# KiCad board revxl.kicad_pcb
title: revxl; date: 2025-01-11; rev: v1.0.0; company: Unknown
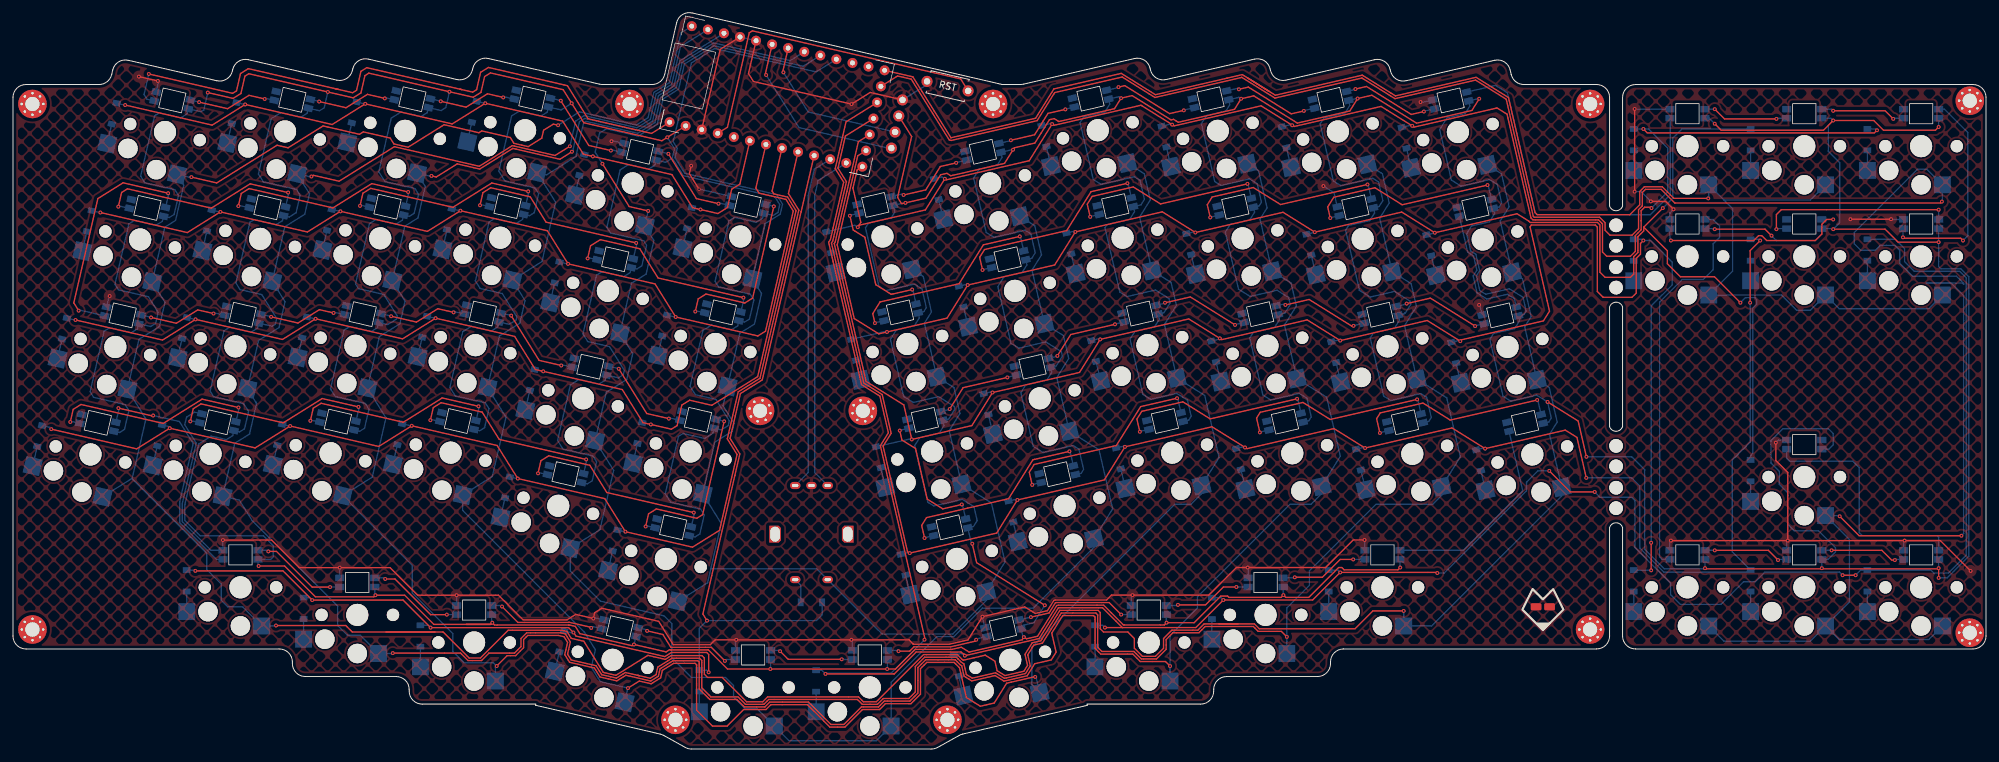
[diagram p0: board, top side]
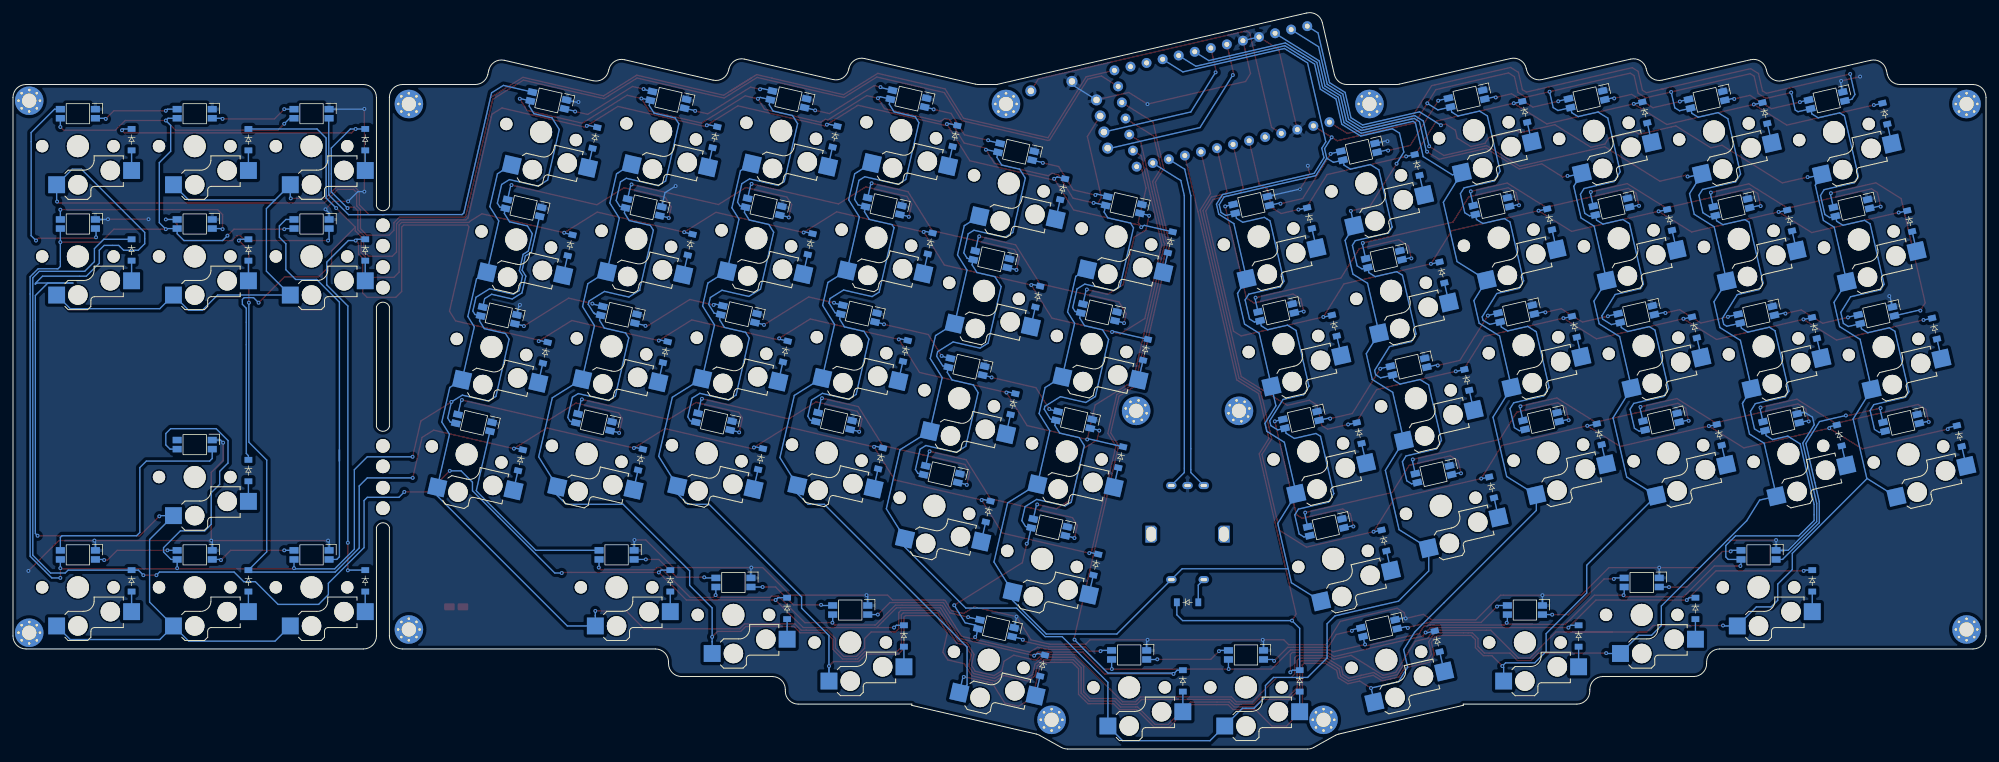
[diagram p1: board, bottom side, seen from below]

Outline 304 x 113.45 mm; copper layers: Top, Bottom. Coordinates in mm from the lower left corner of the outline.
Outline path: 0,100.42 arc(0.59,101.84) 2,102.42 13.26,102.42 arc(14.5,102.86) 15.21,103.97 15.37,104.66 arc(16.25,105.9) 17.76,106.16 31.4,103.01 arc(32.91,103.26) 33.8,104.51 33.86,104.75 arc(34.75,105.99) 36.26,106.25 49.9,103.1 arc(51.41,103.35) 52.3,104.6 52.35,104.84 arc(53.24,106.09) 54.75,106.34 68.39,103.19 arc(69.9,103.44) 70.79,104.69 70.85,104.93 arc(71.74,106.18) 73.25,106.43 90.39,102.47 arc(90.61,102.44) 90.84,102.42 98.46,102.42 arc(99.71,102.86) 100.41,103.97 102.25,111.95 arc(103.14,113.2) 104.65,113.45 152.4,102.43 152.39,102.42 155.21,102.42 arc(155.44,102.44) 155.66,102.47 172.8,106.43 arc(174.31,106.18) 175.2,104.93 175.26,104.69 arc(176.14,103.44) 177.65,103.19 191.3,106.34 arc(192.81,106.09) 193.69,104.84 193.75,104.6 arc(194.64,103.35) 196.15,103.1 209.79,106.25 arc(211.3,105.99) 212.19,104.75 212.25,104.51 arc(213.13,103.26) 214.64,103.01 228.29,106.16 arc(229.79,105.9) 230.68,104.66 230.84,103.97 arc(231.55,102.86) 232.79,102.42 244,102.42 arc(245.41,101.84) 246,100.42 246,83.7 arc(247,82.97) 248,83.7 248,100.42 arc(248.59,101.84) 250,102.42 302,102.42 arc(303.41,101.84) 304,100.42 304,17.42 arc(303.41,16.01) 302,15.42 250,15.42 arc(248.59,16.01) 248,17.42 248,34.14 arc(247,34.87) 246,34.14 246,17.42 arc(245.41,16.01) 244,15.42 205,15.42 arc(203.59,14.84) 203,13.42 203,13.17 arc(202.41,11.76) 201,11.17 187,11.17 arc(185.59,10.59) 185,9.17 185,8.92 arc(184.41,7.51) 183,6.92 165.5,6.92 165.54,6.74 146.33,2.31 arc(146.06,2.23) 145.8,2.11 142.48,0.25 arc(142.01,0.06) 141.5,0 104.54,0 arc(104.04,0.06) 103.57,0.25 100.24,2.11 arc(99.99,2.23) 99.72,2.31 80.51,6.74 80.55,6.92 63.05,6.92 arc(61.63,7.51) 61.05,8.92 61.05,9.17 arc(60.46,10.59) 59.05,11.17 45.05,11.17 arc(43.63,11.76) 43.05,13.17 43.05,13.42 arc(42.46,14.84) 41.05,15.42 2,15.42 arc(0.59,16.01) 0,17.42 0,100.42 ; 246,68.14 246,49.7 arc(247,48.97) 248,49.7 248,68.14 arc(247,68.87) 246,68.14

## Placement (name value [footprint] x y rotation side)
_1  -  [MountingHole_2.2mm_M2_Pad_Via#2]  3 99.42 0 top
_2  -  [MountingHole_2.2mm_M2_Pad_Via#2]  3 18.42 0 top
_3  -  [MountingHole_2.2mm_M2_Pad_Via#2]  243 99.42 0 top
_4  -  [MountingHole_2.2mm_M2_Pad_Via#2]  243 18.42 0 top
_5  -  [MountingHole_2.2mm_M2_Pad_Via#2]  95 99.42 0 top
_6  -  [MountingHole_2.2mm_M2_Pad_Via#2]  151 99.42 0 top
_7  -  [MountingHole_2.2mm_M2_Pad_Via#2]  102.07 4.5 0 top
_8  -  [MountingHole_2.2mm_M2_Pad_Via#2]  143.97 4.5 0 top
_9  -  [MountingHole_2.2mm_M2_Pad_Via#2]  115.1 52.12 347 top
_10  -  [MountingHole_2.2mm_M2_Pad_Via#2]  130.94 52.12 13 top
_11  -  [MountingHole_2.2mm_M2_Pad_Via#2]  301.5 99.92 0 top
_12  -  [MountingHole_2.2mm_M2_Pad_Via#2]  301.5 17.92 0 top
_13  -  [MountingHole_2.2mm_M2_Pad_Via]  247 80.72 0 top
_14  -  [MountingHole_2.2mm_M2_Pad_Via]  247 77.57 0 top
_15  -  [MountingHole_2.2mm_M2_Pad_Via]  247 74.27 0 top
_16  -  [MountingHole_2.2mm_M2_Pad_Via]  247 71.12 0 top
_17  -  [MountingHole_2.2mm_M2_Pad_Via]  247 46.72 0 top
_18  -  [MountingHole_2.2mm_M2_Pad_Via]  247 43.57 0 top
_19  -  [MountingHole_2.2mm_M2_Pad_Via]  247 40.27 0 top
_20  -  [MountingHole_2.2mm_M2_Pad_Via]  247 37.12 0 top
D1  -  [diode_tht_sod123]  4.11 48.24 257 bottom
D2  -  [diode_tht_sod123]  7.94 64.81 257 bottom
D3  -  [diode_tht_sod123]  11.76 81.37 257 bottom
D4  -  [diode_tht_sod123]  15.58 97.94 257 bottom
D5  -  [diode_tht_sod123]  22.61 48.33 257 bottom
D6  -  [diode_tht_sod123]  26.43 64.9 257 bottom
D7  -  [diode_tht_sod123]  30.25 81.46 257 bottom
D8  -  [diode_tht_sod123]  34.08 98.03 257 bottom
D9  -  [diode_tht_sod123]  41.1 48.43 257 bottom
D10  -  [diode_tht_sod123]  44.92 64.99 257 bottom
D11  -  [diode_tht_sod123]  48.75 81.55 257 bottom
D12  -  [diode_tht_sod123]  52.57 98.12 257 bottom
D13  -  [diode_tht_sod123]  59.6 48.52 257 bottom
D14  -  [diode_tht_sod123]  63.42 65.08 257 bottom
D15  -  [diode_tht_sod123]  67.24 81.65 257 bottom
D16  -  [diode_tht_sod123]  71.07 98.21 257 bottom
D17  -  [diode_tht_sod123]  76.18 40.33 257 bottom
D18  -  [diode_tht_sod123]  80 56.89 257 bottom
D19  -  [diode_tht_sod123]  83.83 73.46 257 bottom
D20  -  [diode_tht_sod123]  87.65 90.02 257 bottom
D21  -  [diode_tht_sod123]  92.76 32.14 257 bottom
D22  -  [diode_tht_sod123]  96.58 48.7 257 bottom
D23  -  [diode_tht_sod123]  100.41 65.27 257 bottom
D24  -  [diode_tht_sod123]  104.23 81.83 257 bottom
D25  -  [diode_tht_sod123]  225.81 44.52 283 bottom
D26  -  [diode_tht_sod123]  221.99 61.08 283 bottom
D27  -  [diode_tht_sod123]  218.16 77.65 283 bottom
D28  -  [diode_tht_sod123]  214.34 94.21 283 bottom
D29  -  [diode_tht_sod123]  207.32 44.61 283 bottom
D30  -  [diode_tht_sod123]  203.49 61.18 283 bottom
D31  -  [diode_tht_sod123]  199.67 77.74 283 bottom
D32  -  [diode_tht_sod123]  195.84 94.3 283 bottom
D33  -  [diode_tht_sod123]  188.82 44.7 283 bottom
D34  -  [diode_tht_sod123]  185 61.27 283 bottom
D35  -  [diode_tht_sod123]  181.17 77.83 283 bottom
D36  -  [diode_tht_sod123]  177.35 94.4 283 bottom
D37  -  [diode_tht_sod123]  170.33 44.8 283 bottom
D38  -  [diode_tht_sod123]  166.5 61.36 283 bottom
D39  -  [diode_tht_sod123]  162.68 77.92 283 bottom
D40  -  [diode_tht_sod123]  158.86 94.49 283 bottom
D41  -  [diode_tht_sod123]  153.74 36.61 283 bottom
D42  -  [diode_tht_sod123]  149.92 53.17 283 bottom
D43  -  [diode_tht_sod123]  146.1 69.73 283 bottom
D44  -  [diode_tht_sod123]  142.27 86.3 283 bottom
D45  -  [diode_tht_sod123]  137.16 28.41 283 bottom
D46  -  [diode_tht_sod123]  133.34 44.98 283 bottom
D47  -  [diode_tht_sod123]  129.51 61.54 283 bottom
D48  -  [diode_tht_sod123]  125.69 78.11 283 bottom
D49  -  [diode_tht_sod123]  26.77 25.92 270 bottom
D50  -  [diode_tht_sod123]  44.77 21.67 270 bottom
D51  -  [diode_tht_sod123]  62.77 17.42 270 bottom
D52  -  [diode_tht_sod123]  202.72 25.92 270 bottom
D53  -  [diode_tht_sod123]  184.73 21.67 270 bottom
D54  -  [diode_tht_sod123]  166.72 17.42 270 bottom
D55  -  [diode_tht_sod123]  84.55 16.59 257 bottom
D56  -  [diode_tht_sod123]  145.37 12.86 283 bottom
D57  -  [diode_tht_sod123]  105.75 10.5 270 bottom
D58  -  [diode_tht_sod123]  123.75 10.5 270 bottom
D59  -  [diode_tht_sod123]  249.73 25.92 270 bottom
D60  -  [diode_tht_sod123]  249.72 76.92 270 bottom
D61  -  [diode_tht_sod123]  249.72 93.92 270 bottom
D62  -  [diode_tht_sod123]  267.73 25.92 270 bottom
D63  -  [diode_tht_sod123]  267.73 42.92 270 bottom
D64  -  [diode_tht_sod123]  267.72 76.92 270 bottom
D65  -  [diode_tht_sod123]  267.73 93.92 270 bottom
D66  -  [diode_tht_sod123]  285.73 25.92 270 bottom
D67  -  [diode_tht_sod123]  285.73 76.92 270 bottom
D68  -  [diode_tht_sod123]  285.73 93.92 270 bottom
D69  -  [diode_tht_sod123]  123.02 22.62 180 bottom
DISP1  -  [display_ssd1306]  119.92 100.09 77 top
LED1  -  [led_SK6812mini-e (per-keysingle-side)]  13.07 50.28 347 bottom
LED2  -  [led_SK6812mini-e (per-keysingle-side)]  16.9 66.84 347 bottom
LED3  -  [led_SK6812mini-e (per-keysingle-side)]  20.72 83.41 347 bottom
LED4  -  [led_SK6812mini-e (per-keysingle-side)]  24.55 99.97 347 bottom
LED5  -  [led_SK6812mini-e (per-keysingle-side)]  31.57 50.37 347 bottom
LED6  -  [led_SK6812mini-e (per-keysingle-side)]  35.39 66.93 347 bottom
LED7  -  [led_SK6812mini-e (per-keysingle-side)]  39.22 83.5 347 bottom
LED8  -  [led_SK6812mini-e (per-keysingle-side)]  43.04 100.06 347 bottom
LED9  -  [led_SK6812mini-e (per-keysingle-side)]  50.06 50.46 347 bottom
LED10  -  [led_SK6812mini-e (per-keysingle-side)]  53.89 67.03 347 bottom
LED11  -  [led_SK6812mini-e (per-keysingle-side)]  57.71 83.59 347 bottom
LED12  -  [led_SK6812mini-e (per-keysingle-side)]  61.54 100.16 347 bottom
LED13  -  [led_SK6812mini-e (per-keysingle-side)]  68.56 50.55 347 bottom
LED14  -  [led_SK6812mini-e (per-keysingle-side)]  72.38 67.12 347 bottom
LED15  -  [led_SK6812mini-e (per-keysingle-side)]  76.21 83.68 347 bottom
LED16  -  [led_SK6812mini-e (per-keysingle-side)]  80.03 100.25 347 bottom
LED17  -  [led_SK6812mini-e (per-keysingle-side)]  85.14 42.36 347 bottom
LED18  -  [led_SK6812mini-e (per-keysingle-side)]  88.96 58.93 347 bottom
LED19  -  [led_SK6812mini-e (per-keysingle-side)]  92.79 75.49 347 bottom
LED20  -  [led_SK6812mini-e (per-keysingle-side)]  96.61 92.06 347 bottom
LED21  -  [led_SK6812mini-e (per-keysingle-side)]  101.72 34.17 347 bottom
LED22  -  [led_SK6812mini-e (per-keysingle-side)]  105.55 50.74 347 bottom
LED23  -  [led_SK6812mini-e (per-keysingle-side)]  109.37 67.3 347 bottom
LED24  -  [led_SK6812mini-e (per-keysingle-side)]  113.2 83.87 347 bottom
LED25  -  [led_SK6812mini-e (per-keysingle-side)]  232.97 50.28 13 bottom
LED26  -  [led_SK6812mini-e (per-keysingle-side)]  229.15 66.84 13 bottom
LED27  -  [led_SK6812mini-e (per-keysingle-side)]  225.33 83.41 13 bottom
LED28  -  [led_SK6812mini-e (per-keysingle-side)]  221.5 99.97 13 bottom
LED29  -  [led_SK6812mini-e (per-keysingle-side)]  214.48 50.37 13 bottom
LED30  -  [led_SK6812mini-e (per-keysingle-side)]  210.66 66.93 13 bottom
LED31  -  [led_SK6812mini-e (per-keysingle-side)]  206.83 83.5 13 bottom
LED32  -  [led_SK6812mini-e (per-keysingle-side)]  203.01 100.06 13 bottom
LED33  -  [led_SK6812mini-e (per-keysingle-side)]  195.99 50.46 13 bottom
LED34  -  [led_SK6812mini-e (per-keysingle-side)]  192.16 67.03 13 bottom
LED35  -  [led_SK6812mini-e (per-keysingle-side)]  188.34 83.59 13 bottom
LED36  -  [led_SK6812mini-e (per-keysingle-side)]  184.51 100.16 13 bottom
LED37  -  [led_SK6812mini-e (per-keysingle-side)]  177.49 50.55 13 bottom
LED38  -  [led_SK6812mini-e (per-keysingle-side)]  173.67 67.12 13 bottom
LED39  -  [led_SK6812mini-e (per-keysingle-side)]  169.84 83.68 13 bottom
LED40  -  [led_SK6812mini-e (per-keysingle-side)]  166.02 100.25 13 bottom
LED41  -  [led_SK6812mini-e (per-keysingle-side)]  160.91 42.36 13 bottom
LED42  -  [led_SK6812mini-e (per-keysingle-side)]  157.08 58.93 13 bottom
LED43  -  [led_SK6812mini-e (per-keysingle-side)]  153.26 75.49 13 bottom
LED44  -  [led_SK6812mini-e (per-keysingle-side)]  149.44 92.06 13 bottom
LED45  -  [led_SK6812mini-e (per-keysingle-side)]  144.33 34.17 13 bottom
LED46  -  [led_SK6812mini-e (per-keysingle-side)]  140.5 50.74 13 bottom
LED47  -  [led_SK6812mini-e (per-keysingle-side)]  136.68 67.3 13 bottom
LED48  -  [led_SK6812mini-e (per-keysingle-side)]  132.85 83.87 13 bottom
LED49  -  [led_SK6812mini-e (per-keysingle-side)]  35.05 29.92 0 bottom
LED50  -  [led_SK6812mini-e (per-keysingle-side)]  53.05 25.67 0 bottom
LED51  -  [led_SK6812mini-e (per-keysingle-side)]  71.05 21.42 0 bottom
LED52  -  [led_SK6812mini-e (per-keysingle-side)]  211 29.92 0 bottom
LED53  -  [led_SK6812mini-e (per-keysingle-side)]  193 25.67 0 bottom
LED54  -  [led_SK6812mini-e (per-keysingle-side)]  175 21.42 0 bottom
LED55  -  [led_SK6812mini-e (per-keysingle-side)]  93.51 18.62 347 bottom
LED56  -  [led_SK6812mini-e (per-keysingle-side)]  152.53 18.62 13 bottom
LED57  -  [led_SK6812mini-e (per-keysingle-side)]  114.02 14.5 0 bottom
LED58  -  [led_SK6812mini-e (per-keysingle-side)]  132.02 14.5 0 bottom
LED59  -  [led_SK6812mini-e (per-keysingle-side)]  258 29.92 0 bottom
LED60  -  [led_SK6812mini-e (per-keysingle-side)]  258 80.92 0 bottom
LED61  -  [led_SK6812mini-e (per-keysingle-side)]  258 97.92 0 bottom
LED62  -  [led_SK6812mini-e (per-keysingle-side)]  276 29.92 0 bottom
LED63  -  [led_SK6812mini-e (per-keysingle-side)]  276 46.92 0 bottom
LED64  -  [led_SK6812mini-e (per-keysingle-side)]  276 80.92 0 bottom
LED65  -  [led_SK6812mini-e (per-keysingle-side)]  276 97.92 0 bottom
LED66  -  [led_SK6812mini-e (per-keysingle-side)]  294 29.92 0 bottom
LED67  -  [led_SK6812mini-e (per-keysingle-side)]  294 80.92 0 bottom
LED68  -  [led_SK6812mini-e (per-keysingle-side)]  294 97.92 0 bottom
RE1  -  [rotary_encoder_ec11_ec12]  123.02 33.12 180 top
REF**  Pro Micro RP2040  [pro_micro_rp2040]  117.72 100.59 77 top
RST1  -  [reset_switch_tht_top]  144 102.17 347 top
S1  -  [switch_choc_v1_v2]  11.95 45.41 167 bottom
S2  -  [switch_choc_v1_v2]  15.77 61.97 167 bottom
S3  -  [switch_choc_v1_v2]  19.6 78.54 167 bottom
S4  -  [switch_choc_v1_v2]  23.42 95.1 167 bottom
S5  -  [switch_choc_v1_v2]  30.44 45.5 167 bottom
S6  -  [switch_choc_v1_v2]  34.27 62.06 167 bottom
S7  -  [switch_choc_v1_v2]  38.09 78.63 167 bottom
S8  -  [switch_choc_v1_v2]  41.92 95.19 167 bottom
S9  -  [switch_choc_v1_v2]  48.94 45.59 167 bottom
S10  -  [switch_choc_v1_v2]  52.76 62.15 167 bottom
S11  -  [switch_choc_v1_v2]  56.59 78.72 167 bottom
S12  -  [switch_choc_v1_v2]  60.41 95.28 167 bottom
S13  -  [switch_choc_v1_v2]  67.43 45.68 167 bottom
S14  -  [switch_choc_v1_v2]  71.26 62.25 167 bottom
S15  -  [switch_choc_v1_v2]  75.08 78.81 167 bottom
S16  -  [switch_choc_v1_v2]  78.91 95.38 167 bottom
S17  -  [switch_choc_v1_v2]  84.02 37.49 167 bottom
S18  -  [switch_choc_v1_v2]  87.84 54.06 167 bottom
S19  -  [switch_choc_v1_v2]  91.66 70.62 167 bottom
S20  -  [switch_choc_v1_v2]  95.49 87.19 167 bottom
S21  -  [switch_choc_v1_v2]  100.6 29.3 167 bottom
S22  -  [switch_choc_v1_v2]  104.42 45.87 167 bottom
S23  -  [switch_choc_v1_v2]  108.25 62.43 167 bottom
S24  -  [switch_choc_v1_v2]  112.07 78.99 167 bottom
S25  -  [switch_choc_v1_v2#2]  234.1 45.41 193 bottom
S26  -  [switch_choc_v1_v2#2]  230.28 61.97 193 bottom
S27  -  [switch_choc_v1_v2#2]  226.45 78.54 193 bottom
S28  -  [switch_choc_v1_v2#2]  222.63 95.1 193 bottom
S29  -  [switch_choc_v1_v2#2]  215.6 45.5 193 bottom
S30  -  [switch_choc_v1_v2#2]  211.78 62.06 193 bottom
S31  -  [switch_choc_v1_v2#2]  207.96 78.63 193 bottom
S32  -  [switch_choc_v1_v2#2]  204.13 95.19 193 bottom
S33  -  [switch_choc_v1_v2#2]  197.11 45.59 193 bottom
S34  -  [switch_choc_v1_v2#2]  193.29 62.15 193 bottom
S35  -  [switch_choc_v1_v2#2]  189.46 78.72 193 bottom
S36  -  [switch_choc_v1_v2#2]  185.64 95.28 193 bottom
S37  -  [switch_choc_v1_v2#2]  178.62 45.68 193 bottom
S38  -  [switch_choc_v1_v2#2]  174.79 62.25 193 bottom
S39  -  [switch_choc_v1_v2#2]  170.97 78.81 193 bottom
S40  -  [switch_choc_v1_v2#2]  167.14 95.38 193 bottom
S41  -  [switch_choc_v1_v2#2]  162.03 37.49 193 bottom
S42  -  [switch_choc_v1_v2#2]  158.21 54.06 193 bottom
S43  -  [switch_choc_v1_v2#2]  154.38 70.62 193 bottom
S44  -  [switch_choc_v1_v2#2]  150.56 87.19 193 bottom
S45  -  [switch_choc_v1_v2#2]  145.45 29.3 193 bottom
S46  -  [switch_choc_v1_v2#2]  141.63 45.87 193 bottom
S47  -  [switch_choc_v1_v2#2]  137.8 62.43 193 bottom
S48  -  [switch_choc_v1_v2#2]  133.98 78.99 193 bottom
S49  -  [switch_choc_v1_v2#2]  35.05 24.92 180 bottom
S50  -  [switch_choc_v1_v2#2]  53.05 20.67 180 bottom
S51  -  [switch_choc_v1_v2#2]  71.05 16.42 180 bottom
S52  -  [switch_choc_v1_v2#2]  211 24.92 180 bottom
S53  -  [switch_choc_v1_v2#2]  193 20.67 180 bottom
S54  -  [switch_choc_v1_v2#2]  175 16.42 180 bottom
S55  -  [switch_choc_v1_v2]  92.39 13.75 167 bottom
S56  -  [switch_choc_v1_v2#2]  153.66 13.75 193 bottom
S57  -  [switch_choc_v1_v2#2]  114.02 9.5 180 bottom
S58  -  [switch_choc_v1_v2#2]  132.02 9.5 180 bottom
S59  -  [switch_choc_v1_v2#2]  258 24.92 180 bottom
S60  -  [switch_choc_v1_v2#2]  258 75.92 180 bottom
S61  -  [switch_choc_v1_v2#2]  258 92.92 180 bottom
S62  -  [switch_choc_v1_v2#2]  276 24.92 180 bottom
S63  -  [switch_choc_v1_v2#2]  276 41.92 180 bottom
S64  -  [switch_choc_v1_v2#2]  276 75.92 180 bottom
S65  -  [switch_choc_v1_v2#2]  276 92.92 180 bottom
S66  -  [switch_choc_v1_v2#2]  294 24.92 180 bottom
S67  -  [switch_choc_v1_v2#2]  294 75.92 180 bottom
S68  -  [switch_choc_v1_v2#2]  294 92.92 180 bottom

## Footprints (pads in the part's own frame, mm; a bottom-side part is the same pattern mirrored in y, then rotated)
diode_tht_sod123
  rect 0.9x1.2 smd: 1(-1.65,0) 2(1.65,0)
display_ssd1306
  oval 1.7x1.7 hole 1: 1(-3.81,-16.7) 2(-1.27,-16.7) 3(1.27,-16.7) 4(3.81,-16.7)
led_SK6812mini-e (per-keysingle-side)
  rect 1.4x1 smd: 1(2.7,0.7) 2(2.7,-0.7) 3(-2.7,-0.7) 4(-2.7,0.7)
MountingHole_2.2mm_M2_Pad_Via
  round 2.1 hole 2.1 unplated: (0,0)
MountingHole_2.2mm_M2_Pad_Via#2
  round 0.7 hole 0.4: 1(-1.65,0) 1(-1.167,1.167) 1(-1.167,-1.167) 1(0,1.65) 1(0,-1.65) 1(1.167,1.167) 1(1.167,-1.167) 1(1.65,0)
  round 4.4 hole 2.2: 1(0,0)
pro_micro_rp2040
  round 1.524 hole 0.762: 0(7.64,12.7) 1(7.64,10.16) 2(7.64,2.54) 3(7.64,0) 3V3(-7.6,5.08) 4(7.64,-2.54) 5(7.64,-5.08) 6(7.64,-7.62) 7(7.64,-10.16) 8(7.64,-12.7) 9(7.64,-15.24) 10(7.59,15.24) 11(-7.6,15.24) 12(5.1,-15.24) 13(2.56,-15.24) 14(0.02,-15.24) 15(-2.52,-15.24) 16(-5.06,-15.24) 20(-7.6,-10.16) 21(-7.6,-15.24) 22(-7.6,-7.62) 23(-7.6,-12.7) 26(-7.6,-5.08) 27(-7.6,-2.54) 28(-7.6,0) 29(-7.6,2.54) GND(-7.6,10.16) GND(7.64,7.62) GND(7.64,5.08) RST(-7.6,7.62) VCC(-7.6,12.7)
reset_switch_tht_top
  round 1.7 hole 1: 1(3.25,0) 2(-3.25,0)
rotary_encoder_ec11_ec12
  rrect 1.8x2.6 hole 1.5x2.3: (-5.6,0) (5.6,0)
  oval 1.6x1.1 hole 1x0.5: A(2.5,-7.5) B(0,-7.5) C(-2.5,-7.5) S1(-2.5,7) S2(2.5,7)
switch_choc_v1_v2
  round 1.9 hole 1.9 unplated: (-5.5,0) (5.5,0)
  round 3 hole 3 unplated: (0,-5.95) (5,-3.75)
  round 3.4 hole 3.4 unplated: (0,0)
  rect 2.6x2.6 smd: 1(-3.275,-5.95) 2(8.275,-3.75)
switch_choc_v1_v2#2
  round 1.9 hole 1.9 unplated: (-5.5,0) (5.5,0)
  round 3 hole 3 unplated: (0,-5.95) (5,-3.75)
  round 3.4 hole 3.4 unplated: (0,0)
  rect 2.6x2.6 smd: 1(-3.275,-5.95) 2(8.275,-3.75)

## Nets
3V3: REF**.3V3
GND: DISP1.4 LED1.3 LED2.3 LED3.3 LED4.3 LED5.3 LED6.3 LED7.3 LED8.3 LED9.3 LED10.3 LED11.3 LED12.3 LED13.3 LED14.3 LED15.3 LED16.3 LED17.3 LED18.3 LED19.3 LED20.3 LED21.3 LED22.3 LED23.3 LED24.3 LED25.3 LED26.3 LED27.3 LED28.3 LED29.3 LED30.3 LED31.3 LED32.3 LED33.3 LED34.3 LED35.3 LED36.3 LED37.3 LED38.3 LED39.3 LED40.3 LED41.3 LED42.3 LED43.3 LED44.3 LED45.3 LED46.3 LED47.3 LED48.3 LED49.3 LED50.3 LED51.3 LED52.3 LED53.3 LED54.3 LED55.3 LED56.3 LED57.3 LED58.3 LED59.3 LED60.3 LED61.3 LED62.3 LED63.3 LED64.3 LED65.3 LED66.3 LED67.3 LED68.3 RE1.B REF**.GND RST1.2
VCC: DISP1.3 LED1.1 LED2.1 LED3.1 LED4.1 LED5.1 LED6.1 LED7.1 LED8.1 LED9.1 LED10.1 LED11.1 LED12.1 LED13.1 LED14.1 LED15.1 LED16.1 LED17.1 LED18.1 LED19.1 LED20.1 LED21.1 LED22.1 LED23.1 LED24.1 LED25.1 LED26.1 LED27.1 LED28.1 LED29.1 LED30.1 LED31.1 LED32.1 LED33.1 LED34.1 LED35.1 LED36.1 LED37.1 LED38.1 LED39.1 LED40.1 LED41.1 LED42.1 LED43.1 LED44.1 LED45.1 LED46.1 LED47.1 LED48.1 LED49.1 LED50.1 LED51.1 LED52.1 LED53.1 LED54.1 LED55.1 LED56.1 LED57.1 LED58.1 LED59.1 LED60.1 LED61.1 LED62.1 LED63.1 LED64.1 LED65.1 LED66.1 LED67.1 LED68.1 REF**.VCC
alt_modrow: D50.2 S50.2
center_del: D64.2 S64.2
center_down: D62.2 S62.2
center_ins: D65.2 S65.2
center_up: D63.2 S63.2
col0: REF**.10 S1.1 S2.1 S3.1 S4.1 S25.1 S26.1 S27.1 S28.1 S49.1 S52.1
col1: REF**.0 S5.1 S6.1 S7.1 S8.1 S29.1 S30.1 S31.1 S32.1 S50.1 S53.1
col2: REF**.1 S9.1 S10.1 S11.1 S12.1 S33.1 S34.1 S35.1 S36.1 S51.1 S54.1
col3: REF**.4 S13.1 S14.1 S15.1 S16.1 S37.1 S38.1 S39.1 S40.1 S55.1 S56.1
col4: REF**.5 S17.1 S18.1 S19.1 S20.1 S41.1 S42.1 S43.1 S44.1 S57.1 S58.1
col5: RE1.S1 REF**.6 S21.1 S22.1 S23.1 S24.1 S45.1 S46.1 S47.1 S48.1
col6: REF**.9 S60.1 S61.1 S64.1 S65.1 S67.1
col7: REF**.12 S59.1 S62.1 S63.1 S66.1 S68.1
ctrl_modrow: D49.2 S49.2
endiode: D69.2 RE1.S2
index_bottom: D17.2 S17.2
index_home: D18.2 S18.2
index_num: D20.2 S20.2
index_top: D19.2 S19.2
inner_bottom: D21.2 S21.2
inner_home: D22.2 S22.2
inner_num: D24.2 S24.2
inner_top: D23.2 S23.2
layercol_layerrow: D55.2 S55.2
LED: LED4.4 REF**.11
LED1: LED4.2 LED8.4
LED2: LED8.2 LED12.4
LED3: LED12.2 LED16.4
LED4: LED16.2 LED20.4
LED5: LED20.2 LED24.4
LED6: LED23.4 LED24.2
LED7: LED19.4 LED23.2
LED8: LED15.4 LED19.2
LED9: LED11.4 LED15.2
LED10: LED7.4 LED11.2
LED11: LED3.4 LED7.2
LED12: LED2.4 LED3.2
LED13: LED2.2 LED6.4
LED14: LED6.2 LED10.4
LED15: LED10.2 LED14.4
LED16: LED14.2 LED18.4
LED17: LED18.2 LED22.4
LED18: LED21.4 LED22.2
LED19: LED17.4 LED21.2
LED20: LED13.4 LED17.2
LED21: LED9.4 LED13.2
LED22: LED5.4 LED9.2
LED23: LED1.4 LED5.2
LED24: LED1.2 LED49.4
LED25: LED49.2 LED50.4
LED26: LED50.2 LED51.4
LED27: LED51.2 LED55.4
LED28: LED55.2 LED57.4
LED29: LED57.2 LED58.4
LED30: LED56.4 LED58.2
LED31: LED54.4 LED56.2
LED32: LED53.4 LED54.2
LED33: LED52.4 LED53.2
LED34: LED25.4 LED52.2
LED35: LED25.2 LED29.4
LED36: LED29.2 LED33.4
LED37: LED33.2 LED37.4
LED38: LED37.2 LED41.4
LED39: LED41.2 LED45.4
LED40: LED45.2 LED46.4
LED41: LED42.4 LED46.2
LED42: LED38.4 LED42.2
LED43: LED34.4 LED38.2
LED44: LED30.4 LED34.2
LED45: LED26.4 LED30.2
LED46: LED26.2 LED27.4
LED47: LED27.2 LED31.4
LED48: LED31.2 LED35.4
LED49: LED35.2 LED39.4
LED50: LED39.2 LED43.4
LED51: LED43.2 LED47.4
LED52: LED47.2 LED48.4
LED53: LED44.4 LED48.2
LED54: LED40.4 LED44.2
LED55: LED36.4 LED40.2
LED56: LED32.4 LED36.2
LED57: LED28.4 LED32.2
LED58: LED28.2 LED61.4
LED59: LED61.2 LED65.4
LED60: LED65.2 LED68.4
LED61: LED67.4 LED68.2
LED62: LED64.4 LED67.2
LED63: LED60.4 LED64.2
LED64: LED59.4 LED60.2
LED65: LED59.2 LED62.4
LED66: LED62.2 LED66.4
LED67: LED63.4 LED66.2
LEDEND: LED63.2
left_del: D60.2 S60.2
left_down: D59.2 S59.2
left_ins: D61.2 S61.2
middle_bottom: D13.2 S13.2
middle_home: D14.2 S14.2
middle_num: D16.2 S16.2
middle_top: D15.2 S15.2
mirror_alt_modrow: D53.2 S53.2
mirror_ctrl_modrow: D52.2 S52.2
mirror_index_bottom: D41.2 S41.2
mirror_index_home: D42.2 S42.2
mirror_index_num: D44.2 S44.2
mirror_index_top: D43.2 S43.2
mirror_inner_bottom: D45.2 S45.2
mirror_inner_home: D46.2 S46.2
mirror_inner_num: D48.2 S48.2
mirror_inner_top: D47.2 S47.2
mirror_layercol_layerrow: D56.2 S56.2
mirror_middle_bottom: D37.2 S37.2
mirror_middle_home: D38.2 S38.2
mirror_middle_num: D40.2 S40.2
mirror_middle_top: D39.2 S39.2
mirror_outer_bottom: D25.2 S25.2
mirror_outer_home: D26.2 S26.2
mirror_outer_num: D28.2 S28.2
mirror_outer_top: D27.2 S27.2
mirror_pinky_bottom: D29.2 S29.2
mirror_pinky_home: D30.2 S30.2
mirror_pinky_num: D32.2 S32.2
mirror_pinky_top: D31.2 S31.2
mirror_ring_bottom: D33.2 S33.2
mirror_ring_home: D34.2 S34.2
mirror_ring_num: D36.2 S36.2